# KiCad board design.kicad_pcb (continued)
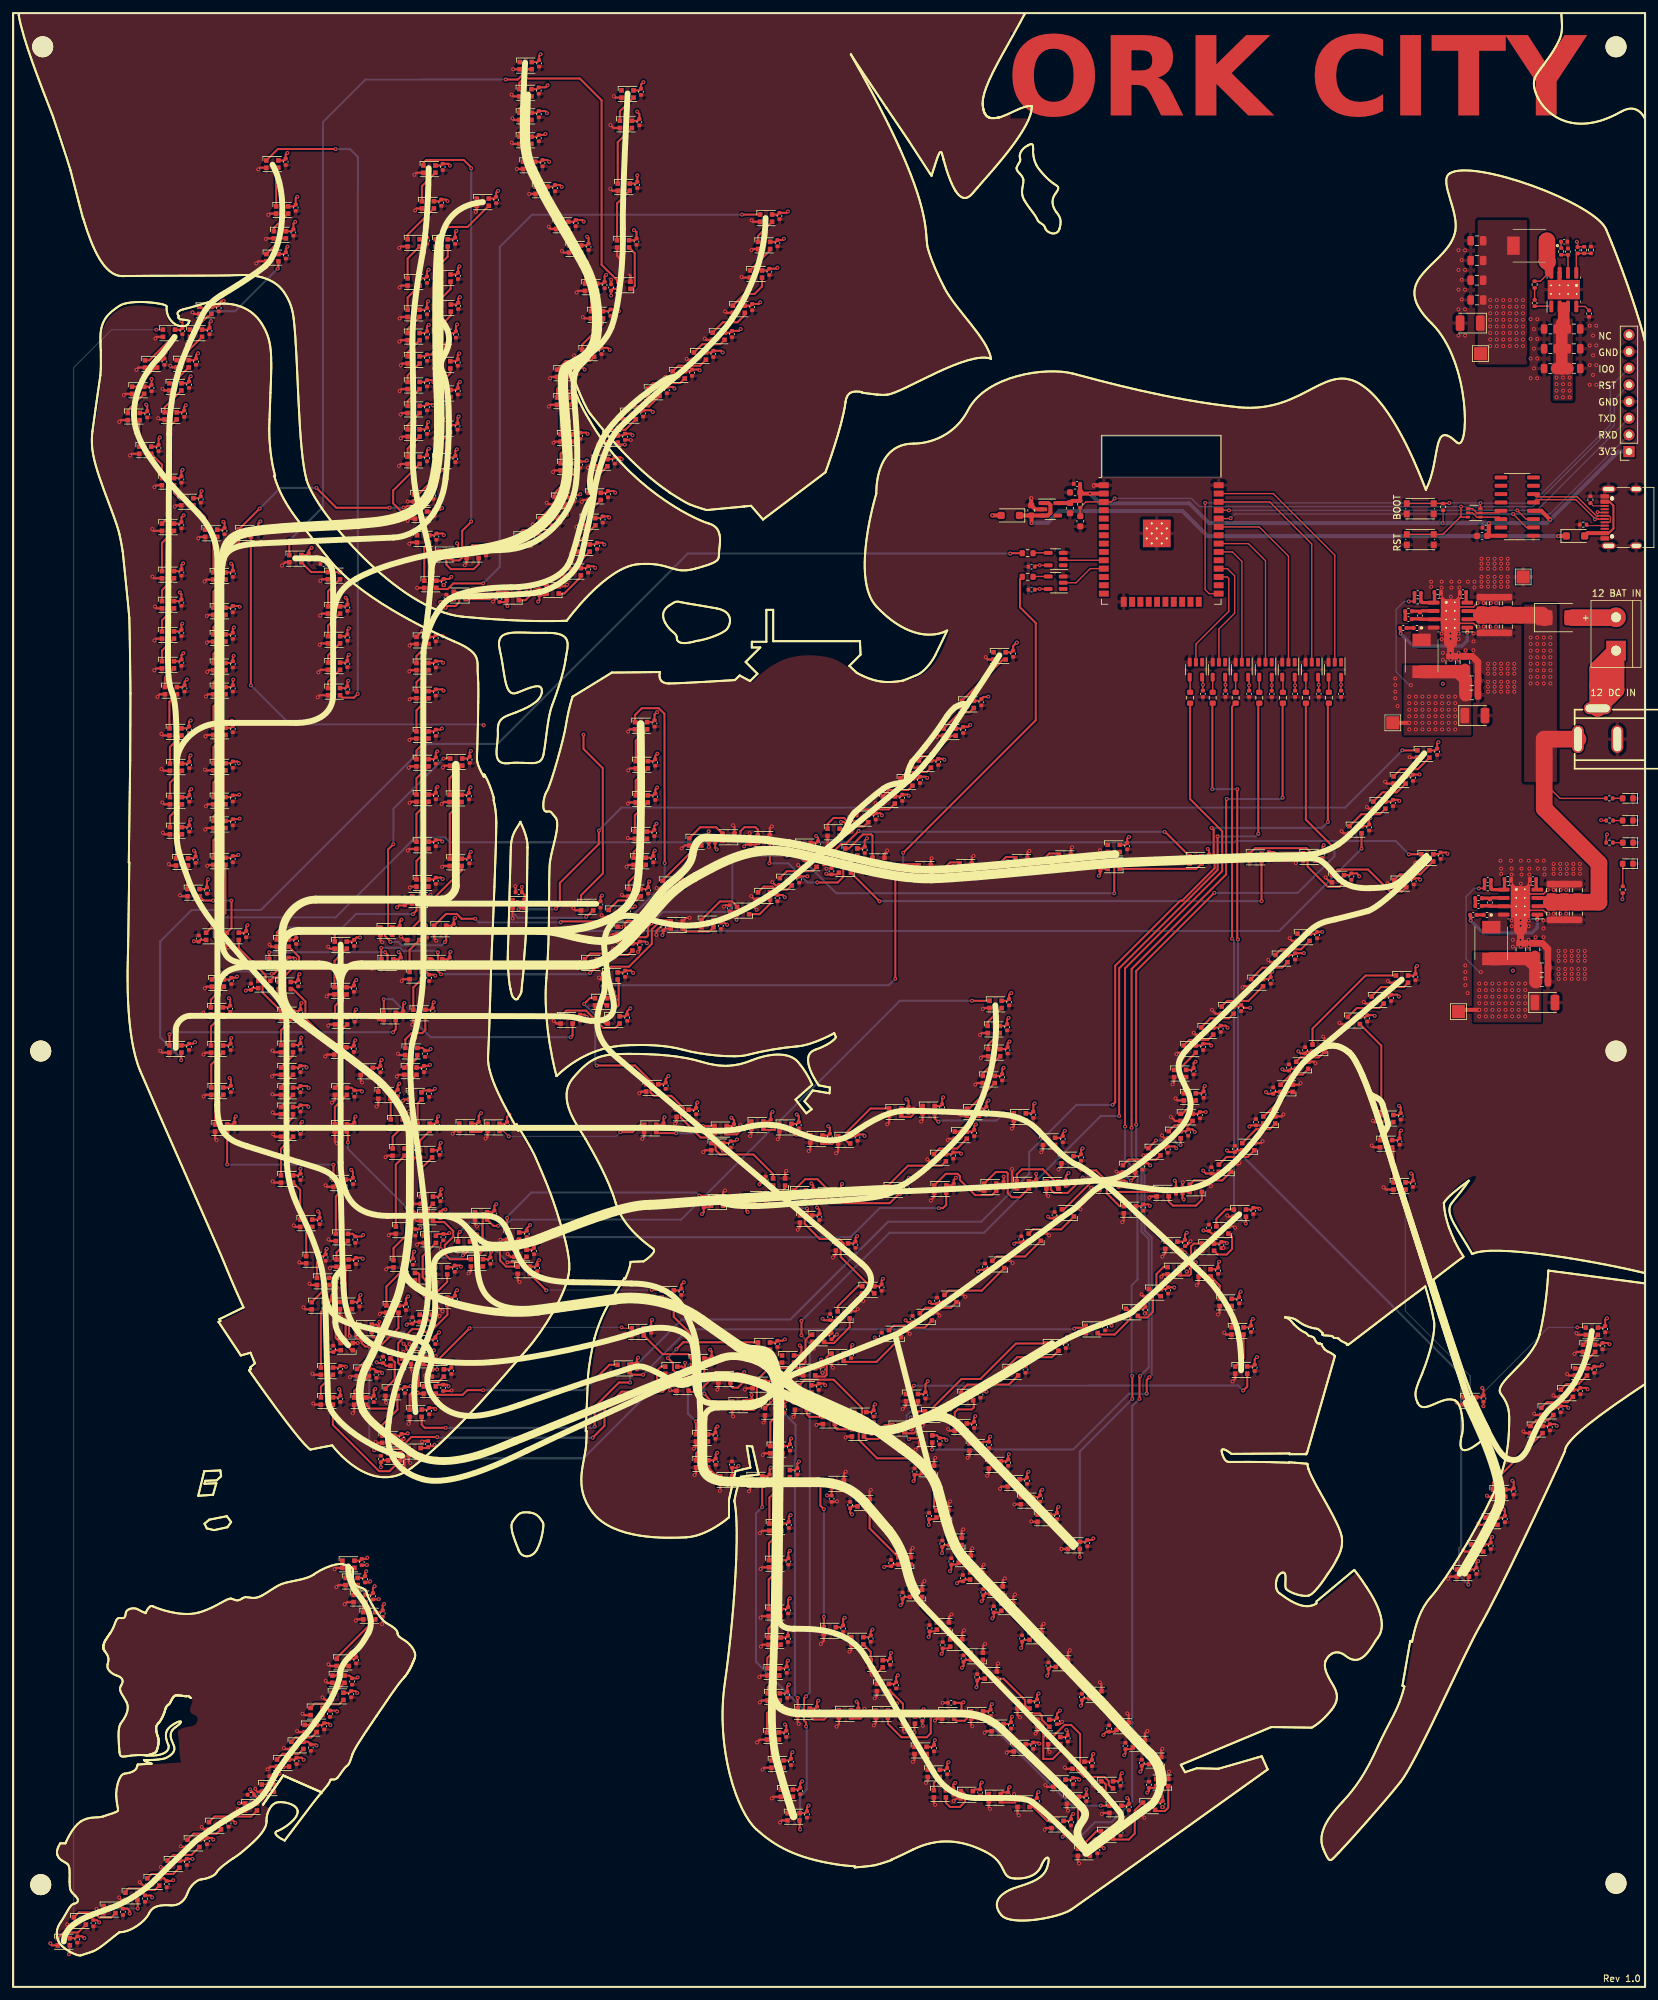
[diagram p0: board, top side]
## Placement (name value [footprint] x y rotation side) (continued)
D288  WS2812B  [LED_WS2812B-2020_PLCC4_2.0x2.0mm]  169.03 39.7 180 top
D289  WS2812B  [LED_WS2812B-2020_PLCC4_2.0x2.0mm]  171.51 37.04 180 top
D290  WS2812B  [LED_WS2812B-2020_PLCC4_2.0x2.0mm]  174 34.48 180 top
D291  WS2812B  [LED_WS2812B-2020_PLCC4_2.0x2.0mm]  175.07 31.13 180 top
D292  WS2812B  [LED_WS2812B-2020_PLCC4_2.0x2.0mm]  173.07 27.52 0 top
D293  WS2812B  [LED_WS2812B-2020_PLCC4_2.0x2.0mm]  166.64 23.17 0 top
D294  WS2812B  [LED_WS2812B-2020_PLCC4_2.0x2.0mm]  163.13 20.5 0 top
D295  WS2812B  [LED_WS2812B-2020_PLCC4_2.0x2.0mm]  161.46 28.43 0 top
D296  WS2812B  [LED_WS2812B-2020_PLCC4_2.0x2.0mm]  159.39 31.02 0 top
D297  WS2812B  [LED_WS2812B-2020_PLCC4_2.0x2.0mm]  153.36 36.42 0 top
D298  WS2812B  [LED_WS2812B-2020_PLCC4_2.0x2.0mm]  149.98 39.5 0 top
D299  WS2812B  [LED_WS2812B-2020_PLCC4_2.0x2.0mm]  146.85 41.43 0 top
D300  WS2812B  [LED_WS2812B-2020_PLCC4_2.0x2.0mm]  142.43 41.42 0 top
D301  WS2812B  [LED_WS2812B-2020_PLCC4_2.0x2.0mm]  132.36 41.55 0 top
D302  WS2812B  [LED_WS2812B-2020_PLCC4_2.0x2.0mm]  126.73 41.6 0 top
D303  WS2812B  [LED_WS2812B-2020_PLCC4_2.0x2.0mm]  120.44 41.86 0 top
D304  WS2812B  [LED_WS2812B-2020_PLCC4_2.0x2.0mm]  114.4 97.62 0 top
D305  WS2812B  [LED_WS2812B-2020_PLCC4_2.0x2.0mm]  100.27 93.95 0 top
D306  WS2812B  [LED_WS2812B-2020_PLCC4_2.0x2.0mm]  61.17 81.55 0 top
D307  WS2812B  [LED_WS2812B-2020_PLCC4_2.0x2.0mm]  52.88 89.24 0 top
D308  WS2812B  [LED_WS2812B-2020_PLCC4_2.0x2.0mm]  53.3 93.6 0 top
D309  WS2812B  [LED_WS2812B-2020_PLCC4_2.0x2.0mm]  57.78 103.26 0 top
D310  WS2812B  [LED_WS2812B-2020_PLCC4_2.0x2.0mm]  58.86 110.16 0 top
D311  WS2812B  [LED_WS2812B-2020_PLCC4_2.0x2.0mm]  59.21 115.28 0 top
D312  WS2812B  [LED_WS2812B-2020_PLCC4_2.0x2.0mm]  58.73 127.18 0 top
D313  WS2812B  [LED_WS2812B-2020_PLCC4_2.0x2.0mm]  58.44 131.61 0 top
D314  WS2812B  [LED_WS2812B-2020_PLCC4_2.0x2.0mm]  56.55 135.86 0 top
D315  WS2812B  [LED_WS2812B-2020_PLCC4_2.0x2.0mm]  53.86 139.48 0 top
D316  WS2812B  [LED_WS2812B-2020_PLCC4_2.0x2.0mm]  49.85 142.59 0 top
D317  WS2812B  [LED_WS2812B-2020_PLCC4_2.0x2.0mm]  41.39 152.56 0 top
D318  WS2812B  [LED_WS2812B-2020_PLCC4_2.0x2.0mm]  41.08 159.02 0 top
D319  WS2812B  [LED_WS2812B-2020_PLCC4_2.0x2.0mm]  61.71 165.58 180 top
D320  WS2812B  [LED_WS2812B-2020_PLCC4_2.0x2.0mm]  67.43 171.32 0 top
D321  WS2812B  [LED_WS2812B-2020_PLCC4_2.0x2.0mm]  67.4 181.06 0 top
D322  WS2812B  [LED_WS2812B-2020_PLCC4_2.0x2.0mm]  67.5 186.6 0 top
D323  WS2812B  [LED_WS2812B-2020_PLCC4_2.0x2.0mm]  167.68 173.45 0 top
D324  WS2812B  [LED_WS2812B-2020_PLCC4_2.0x2.0mm]  160.24 171.93 180 top
D325  WS2812B  [LED_WS2812B-2020_PLCC4_2.0x2.0mm]  153.6 171.35 180 top
D326  WS2812B  [LED_WS2812B-2020_PLCC4_2.0x2.0mm]  145.13 170.59 180 top
D327  WS2812B  [LED_WS2812B-2020_PLCC4_2.0x2.0mm]  138.89 170.31 180 top
D328  WS2812B  [LED_WS2812B-2020_PLCC4_2.0x2.0mm]  131.84 171.47 180 top
D329  WS2812B  [LED_WS2812B-2020_PLCC4_2.0x2.0mm]  127.69 172.89 0 top
D330  WS2812B  [LED_WS2812B-2020_PLCC4_2.0x2.0mm]  114.37 174.87 180 top
D331  WS2812B  [LED_WS2812B-2020_PLCC4_2.0x2.0mm]  108.99 175.14 180 top
D332  WS2812B  [LED_WS2812B-2020_PLCC4_2.0x2.0mm]  103.92 174.45 0 top
D333  WS2812B  [LED_WS2812B-2020_PLCC4_2.0x2.0mm]  99.86 167.95 0 top
D334  WS2812B  [LED_WS2812B-2020_PLCC4_2.0x2.0mm]  92.99 160.96 0 top
D335  WS2812B  [LED_WS2812B-2020_PLCC4_2.0x2.0mm]  95.67 192.14 0 top
D336  WS2812B  [LED_WS2812B-2020_PLCC4_2.0x2.0mm]  95.78 186.19 0 top
D337  WS2812B  [LED_WS2812B-2020_PLCC4_2.0x2.0mm]  95.77 180.99 0 top
D338  WS2812B  [LED_WS2812B-2020_PLCC4_2.0x2.0mm]  95.64 175.46 0 top
D339  WS2812B  [LED_WS2812B-2020_PLCC4_2.0x2.0mm]  95.46 171.48 0 top
D340  WS2812B  [LED_WS2812B-2020_PLCC4_2.0x2.0mm]  94.7 166.71 0 top
D341  WS2812B  [LED_WS2812B-2020_PLCC4_2.0x2.0mm]  91.63 163.53 0 top
D342  WS2812B  [LED_WS2812B-2020_PLCC4_2.0x2.0mm]  65.05 161.12 0 top
D343  WS2812B  [LED_WS2812B-2020_PLCC4_2.0x2.0mm]  56.86 160.84 0 top
D344  WS2812B  [LED_WS2812B-2020_PLCC4_2.0x2.0mm]  159.12 24.74 0 top
D345  WS2812B  [LED_WS2812B-2020_PLCC4_2.0x2.0mm]  153.94 27.96 0 top
D346  WS2812B  [LED_WS2812B-2020_PLCC4_2.0x2.0mm]  149.55 28.82 0 top
D347  WS2812B  [LED_WS2812B-2020_PLCC4_2.0x2.0mm]  145.29 29.27 0 top
D348  WS2812B  [LED_WS2812B-2020_PLCC4_2.0x2.0mm]  141.19 29.41 0 top
D349  WS2812B  [LED_WS2812B-2020_PLCC4_2.0x2.0mm]  140.26 32.52 0 top
D350  WS2812B  [LED_WS2812B-2020_PLCC4_2.0x2.0mm]  138.24 36.02 0 top
D351  WS2812B  [LED_WS2812B-2020_PLCC4_2.0x2.0mm]  136.48 40.66 0 top
D352  WS2812B  [LED_WS2812B-2020_PLCC4_2.0x2.0mm]  132.5 45.61 0 top
D353  WS2812B  [LED_WS2812B-2020_PLCC4_2.0x2.0mm]  131.56 49.22 0 top
D354  WS2812B  [LED_WS2812B-2020_PLCC4_2.0x2.0mm]  128.62 52.73 0 top
D355  WS2812B  [LED_WS2812B-2020_PLCC4_2.0x2.0mm]  124.41 54.25 0 top
D356  WS2812B  [LED_WS2812B-2020_PLCC4_2.0x2.0mm]  125.65 76.64 180 top
D357  WS2812B  [LED_WS2812B-2020_PLCC4_2.0x2.0mm]  129.57 73.75 180 top
D358  WS2812B  [LED_WS2812B-2020_PLCC4_2.0x2.0mm]  135.81 64.91 180 top
D359  WS2812B  [LED_WS2812B-2020_PLCC4_2.0x2.0mm]  137.55 59.95 180 top
D360  WS2812B  [LED_WS2812B-2020_PLCC4_2.0x2.0mm]  141.66 54.98 180 top
D361  WS2812B  [LED_WS2812B-2020_PLCC4_2.0x2.0mm]  143.67 52.39 180 top
D362  WS2812B  [LED_WS2812B-2020_PLCC4_2.0x2.0mm]  146.84 50.36 180 top
D363  WS2812B  [LED_WS2812B-2020_PLCC4_2.0x2.0mm]  148.94 47.5 180 top
D364  WS2812B  [LED_WS2812B-2020_PLCC4_2.0x2.0mm]  153.93 42.97 0 top
D365  WS2812B  [LED_WS2812B-2020_PLCC4_2.0x2.0mm]  156.97 40.16 0 top
D366  WS2812B  [LED_WS2812B-2020_PLCC4_2.0x2.0mm]  158.61 37.52 0 top
D367  WS2812B  [LED_WS2812B-2020_PLCC4_2.0x2.0mm]  162.3 33.77 0 top
D368  WS2812B  [LED_WS2812B-2020_PLCC4_2.0x2.0mm]  166.66 30.79 0 top
D369  WS2812B  [LED_WS2812B-2020_PLCC4_2.0x2.0mm]  167.94 27.05 0 top
D370  WS2812B  [LED_WS2812B-2020_PLCC4_2.0x2.0mm]  113.2 77.25 0 top
D371  WS2812B  [LED_WS2812B-2020_PLCC4_2.0x2.0mm]  108.65 77.23 0 top
D372  WS2812B  [LED_WS2812B-2020_PLCC4_2.0x2.0mm]  104.97 79.68 0 top
D373  WS2812B  [LED_WS2812B-2020_PLCC4_2.0x2.0mm]  104.94 83.64 0 top
D374  WS2812B  [LED_WS2812B-2020_PLCC4_2.0x2.0mm]  99.73 105.56 0 top
D375  WS2812B  [LED_WS2812B-2020_PLCC4_2.0x2.0mm]  77.8 109.18 0 top
D376  WS2812B  [LED_WS2812B-2020_PLCC4_2.0x2.0mm]  76.18 114.39 0 top
D377  WS2812B  [LED_WS2812B-2020_PLCC4_2.0x2.0mm]  107.25 119.58 180 top
D378  WS2812B  [LED_WS2812B-2020_PLCC4_2.0x2.0mm]  113.75 120.01 180 top
D379  WS2812B  [LED_WS2812B-2020_PLCC4_2.0x2.0mm]  119.85 120.77 0 top
D380  WS2812B  [LED_WS2812B-2020_PLCC4_2.0x2.0mm]  124.07 120.6 0 top
D381  WS2812B  [LED_WS2812B-2020_PLCC4_2.0x2.0mm]  134.1 121.41 0 top
D382  WS2812B  [LED_WS2812B-2020_PLCC4_2.0x2.0mm]  141.19 126.32 0 top
D383  WS2812B  [LED_WS2812B-2020_PLCC4_2.0x2.0mm]  144.38 129.75 0 top
D384  WS2812B  [LED_WS2812B-2020_PLCC4_2.0x2.0mm]  146.22 133.26 0 top
D385  WS2812B  [LED_WS2812B-2020_PLCC4_2.0x2.0mm]  148.63 138.24 0 top
D386  WS2812B  [LED_WS2812B-2020_PLCC4_2.0x2.0mm]  149.46 142.33 0 top
D387  WS2812B  [LED_WS2812B-2020_PLCC4_2.0x2.0mm]  149.39 145.86 0 top
D388  WS2812B  [LED_WS2812B-2020_PLCC4_2.0x2.0mm]  149.68 149.68 0 top
D389  WS2812B  [LED_WS2812B-2020_PLCC4_2.0x2.0mm]  71.28 117.46 0 top
D390  WS2812B  [LED_WS2812B-2020_PLCC4_2.0x2.0mm]  70.66 110.31 0 top
D391  WS2812B  [LED_WS2812B-2020_PLCC4_2.0x2.0mm]  63.04 117.24 0 top
D392  WS2812B  [LED_WS2812B-2020_PLCC4_2.0x2.0mm]  49.92 130.86 0 top
D393  WS2812B  [LED_WS2812B-2020_PLCC4_2.0x2.0mm]  49.93 136.44 0 top
D394  WS2812B  [LED_WS2812B-2020_PLCC4_2.0x2.0mm]  49.97 147.18 0 top
D395  WS2812B  [LED_WS2812B-2020_PLCC4_2.0x2.0mm]  49.88 151.75 0 top
D396  WS2812B  [LED_WS2812B-2020_PLCC4_2.0x2.0mm]  49.91 158.71 0 top
D397  WS2812B  [LED_WS2812B-2020_PLCC4_2.0x2.0mm]  71.54 271.9 0 top
D398  WS2812B  [LED_WS2812B-2020_PLCC4_2.0x2.0mm]  65.3 265.69 0 top
D399  WS2812B  [LED_WS2812B-2020_PLCC4_2.0x2.0mm]  65.73 260.33 0 top
D400  WS2812B  [LED_WS2812B-2020_PLCC4_2.0x2.0mm]  65.76 255.76 0 top
D401  WS2812B  [LED_WS2812B-2020_PLCC4_2.0x2.0mm]  65.38 251.4 0 top
D402  WS2812B  [LED_WS2812B-2020_PLCC4_2.0x2.0mm]  65.69 247.12 0 top
D403  WS2812B  [LED_WS2812B-2020_PLCC4_2.0x2.0mm]  65.7 242.75 0 top
D404  WS2812B  [LED_WS2812B-2020_PLCC4_2.0x2.0mm]  65.65 237.39 0 top
D405  WS2812B  [LED_WS2812B-2020_PLCC4_2.0x2.0mm]  65.33 232.44 0 top
D406  WS2812B  [LED_WS2812B-2020_PLCC4_2.0x2.0mm]  61.99 226.84 0 top
D407  WS2812B  [LED_WS2812B-2020_PLCC4_2.0x2.0mm]  35.3 221.49 0 top
D408  WS2812B  [LED_WS2812B-2020_PLCC4_2.0x2.0mm]  87.44 164.56 0 top
D409  WS2812B  [LED_WS2812B-2020_PLCC4_2.0x2.0mm]  77 164.97 0 top
D410  WS2812B  [LED_WS2812B-2020_PLCC4_2.0x2.0mm]  214.86 187.83 0 top
D411  WS2812B  [LED_WS2812B-2020_PLCC4_2.0x2.0mm]  211.22 183.87 0 top
D412  WS2812B  [LED_WS2812B-2020_PLCC4_2.0x2.0mm]  208.14 180.03 0 top
D413  WS2812B  [LED_WS2812B-2020_PLCC4_2.0x2.0mm]  204.51 176.3 0 top
D414  WS2812B  [LED_WS2812B-2020_PLCC4_2.0x2.0mm]  24.72 142.89 0 top
D415  WS2812B  [LED_WS2812B-2020_PLCC4_2.0x2.0mm]  57.38 147.85 0 top
D416  WS2812B  [LED_WS2812B-2020_PLCC4_2.0x2.0mm]  84.32 147.31 0 top
D417  WS2812B  [LED_WS2812B-2020_PLCC4_2.0x2.0mm]  91.5 147.32 0 top
D418  WS2812B  [LED_WS2812B-2020_PLCC4_2.0x2.0mm]  91.19 154.01 0 top
D419  WS2812B  [LED_WS2812B-2020_PLCC4_2.0x2.0mm]  101.1 161.77 180 top
D420  WS2812B  [LED_WS2812B-2020_PLCC4_2.0x2.0mm]  105.78 161.99 0 top
D421  WS2812B  [LED_WS2812B-2020_PLCC4_2.0x2.0mm]  111.21 163.97 180 top
D422  WS2812B  [LED_WS2812B-2020_PLCC4_2.0x2.0mm]  114.39 166.21 0 top
D423  WS2812B  [LED_WS2812B-2020_PLCC4_2.0x2.0mm]  117.72 168.37 0 top
D424  WS2812B  [LED_WS2812B-2020_PLCC4_2.0x2.0mm]  121.49 171.18 0 top
D425  WS2812B  [LED_WS2812B-2020_PLCC4_2.0x2.0mm]  125 175.9 0 top
D426  WS2812B  [LED_WS2812B-2020_PLCC4_2.0x2.0mm]  129.36 177.99 0 top
D427  WS2812B  [LED_WS2812B-2020_PLCC4_2.0x2.0mm]  133.41 180.82 0 top
D428  WS2812B  [LED_WS2812B-2020_PLCC4_2.0x2.0mm]  136.09 183.55 0 top
D429  WS2812B  [LED_WS2812B-2020_PLCC4_2.0x2.0mm]  138.91 186.29 0 top
D430  WS2812B  [LED_WS2812B-2020_PLCC4_2.0x2.0mm]  142.69 191.16 0 top
D431  WS2812B  [LED_WS2812B-2020_PLCC4_2.0x2.0mm]  145.45 195.38 0 top
D432  WS2812B  [LED_WS2812B-2020_PLCC4_2.0x2.0mm]  150.29 202.77 0 top
D433  WS2812B  [LED_WS2812B-2020_PLCC4_2.0x2.0mm]  89.57 150.08 0 top
D434  WS2812B  [LED_WS2812B-2020_PLCC4_2.0x2.0mm]  97.37 136.96 0 top
D435  WS2812B  [LED_WS2812B-2020_PLCC4_2.0x2.0mm]  101.99 133.09 0 top
D436  WS2812B  [LED_WS2812B-2020_PLCC4_2.0x2.0mm]  107.28 128.01 0 top
D437  WS2812B  [LED_WS2812B-2020_PLCC4_2.0x2.0mm]  116.7 122.62 180 top
D438  WS2812B  [LED_WS2812B-2020_PLCC4_2.0x2.0mm]  120.79 116.98 0 top
D439  WS2812B  [LED_WS2812B-2020_PLCC4_2.0x2.0mm]  126.28 112.73 0 top
D440  WS2812B  [LED_WS2812B-2020_PLCC4_2.0x2.0mm]  130.27 106.2 0 top
D441  WS2812B  [LED_WS2812B-2020_PLCC4_2.0x2.0mm]  126.54 102.38 180 top
D442  WS2812B  [LED_WS2812B-2020_PLCC4_2.0x2.0mm]  122.64 98.81 0 top
D443  WS2812B  [LED_WS2812B-2020_PLCC4_2.0x2.0mm]  118.06 95.65 0 top
D444  WS2812B  [LED_WS2812B-2020_PLCC4_2.0x2.0mm]  139.12 83.47 0 top
D445  WS2812B  [LED_WS2812B-2020_PLCC4_2.0x2.0mm]  136.94 89.78 0 top
D446  WS2812B  [LED_WS2812B-2020_PLCC4_2.0x2.0mm]  187.1 93.97 0 top
D447  WS2812B  [LED_WS2812B-2020_PLCC4_2.0x2.0mm]  186.54 99.93 0 top
D448  WS2812B  [LED_WS2812B-2020_PLCC4_2.0x2.0mm]  184.73 104.28 0 top
D449  WS2812B  [LED_WS2812B-2020_PLCC4_2.0x2.0mm]  181.52 108.78 0 top
D450  WS2812B  [LED_WS2812B-2020_PLCC4_2.0x2.0mm]  176.45 112.99 0 top
D451  WS2812B  [LED_WS2812B-2020_PLCC4_2.0x2.0mm]  170.12 118.4 0 top
D452  WS2812B  [LED_WS2812B-2020_PLCC4_2.0x2.0mm]  160.63 126.02 0 top
D453  WS2812B  [LED_WS2812B-2020_PLCC4_2.0x2.0mm]  157.82 128.81 0 top
D454  WS2812B  [LED_WS2812B-2020_PLCC4_2.0x2.0mm]  153.37 132.53 0 top
D455  WS2812B  [LED_WS2812B-2020_PLCC4_2.0x2.0mm]  139.47 133.65 0 top
D456  WS2812B  [LED_WS2812B-2020_PLCC4_2.0x2.0mm]  134.38 133.28 0 top
D457  WS2812B  [LED_WS2812B-2020_PLCC4_2.0x2.0mm]  126.62 129.05 0 top
D458  WS2812B  [LED_WS2812B-2020_PLCC4_2.0x2.0mm]  122.38 129.16 0 top
D459  WS2812B  [LED_WS2812B-2020_PLCC4_2.0x2.0mm]  117.66 130.93 0 top
D460  WS2812B  [LED_WS2812B-2020_PLCC4_2.0x2.0mm]  113.38 131.29 0 top
D461  WS2812B  [LED_WS2812B-2020_PLCC4_2.0x2.0mm]  107.78 130.61 0 top
D462  WS2812B  [LED_WS2812B-2020_PLCC4_2.0x2.0mm]  97.05 130.79 0 top
D463  WS2812B  [LED_WS2812B-2020_PLCC4_2.0x2.0mm]  73.19 130.94 0 top
D464  WS2812B  [LED_WS2812B-2020_PLCC4_2.0x2.0mm]  68.89 130.97 0 top
D465  WS2812B  [LED_WS2812B-2020_PLCC4_2.0x2.0mm]  61.33 87.39 0 top
D466  WS2812B  [LED_WS2812B-2020_PLCC4_2.0x2.0mm]  62.27 98.08 0 top
D467  WS2812B  [LED_WS2812B-2020_PLCC4_2.0x2.0mm]  65.25 104.47 0 top
D468  WS2812B  [LED_WS2812B-2020_PLCC4_2.0x2.0mm]  65.21 109.08 0 top
D469  WS2812B  [LED_WS2812B-2020_PLCC4_2.0x2.0mm]  68.69 113 0 top
D470  WS2812B  [LED_WS2812B-2020_PLCC4_2.0x2.0mm]  77.29 111.76 0 top
D471  WS2812B  [LED_WS2812B-2020_PLCC4_2.0x2.0mm]  141.24 121.55 0 top
D472  WS2812B  [LED_WS2812B-2020_PLCC4_2.0x2.0mm]  148.86 121.83 0 top
D473  WS2812B  [LED_WS2812B-2020_PLCC4_2.0x2.0mm]  153.82 122.19 0 top
D474  WS2812B  [LED_WS2812B-2020_PLCC4_2.0x2.0mm]  158.34 122.17 0 top
D475  WS2812B  [LED_WS2812B-2020_PLCC4_2.0x2.0mm]  170 124.64 0 top
D476  WS2812B  [LED_WS2812B-2020_PLCC4_2.0x2.0mm]  173.87 127.23 0 top
D477  WS2812B  [LED_WS2812B-2020_PLCC4_2.0x2.0mm]  176.96 129.83 0 top
D478  WS2812B  [LED_WS2812B-2020_PLCC4_2.0x2.0mm]  178.76 132.47 0 top
D479  WS2812B  [LED_WS2812B-2020_PLCC4_2.0x2.0mm]  179.26 135.59 0 top
D480  WS2812B  [LED_WS2812B-2020_PLCC4_2.0x2.0mm]  177.78 139.15 0 top
D481  WS2812B  [LED_WS2812B-2020_PLCC4_2.0x2.0mm]  179.25 142.87 0 top
D482  WS2812B  [LED_WS2812B-2020_PLCC4_2.0x2.0mm]  181.92 145.62 0 top
D483  WS2812B  [LED_WS2812B-2020_PLCC4_2.0x2.0mm]  185.03 148.81 0 top
D484  WS2812B  [LED_WS2812B-2020_PLCC4_2.0x2.0mm]  189.51 152.99 0 top
D485  WS2812B  [LED_WS2812B-2020_PLCC4_2.0x2.0mm]  193.23 156.66 0 top
D486  WS2812B  [LED_WS2812B-2020_PLCC4_2.0x2.0mm]  196.6 159.91 0 top
H1  MountingHole  [MountingHole_3.2mm_M3]  4.2 142.57 0 top
H2  MountingHole  [MountingHole_3.2mm_M3]  244.2 295.57 0 top
H3  MountingHole  [MountingHole_3.2mm_M3]  4.5 295.57 0 top
H4  MountingHole  [MountingHole_3.2mm_M3]  244.2 15.77 0 top
H5  MountingHole  [MountingHole_3.2mm_M3]  244.2 142.57 0 top
H6  MountingHole  [MountingHole_3.2mm_M3]  4.2 15.57 0 top
J1  Conn_01x08  [PinSocket_1x08_P2.54mm_Vertical]  246.18 233.9 180 top
J2  USB_C_Receptacle_USB2.0  [USB_C_Receptacle_G-Switch_GT-USB-7010ASV]  246.2 223.87 90 top
J3  BATTERY  [TerminalBlock_bornier-2_P5.08mm]  244.2 203.57 90 top
J4  12V IN  [CONN-TH_DC-005-2.5A-2.0]  241.4 192.44 180 top
L1  ETQ-P3M3R3KVP  [ETQ-P3M_KVP]  214.59 202.77 270 top
L2  ETQ-P3M3R3KVP  [ETQ-P3M_KVP]  225.2 159.02 270 top
L3  ETQ-P3M3R3KVP  [ETQ-P3M_KVP]  231 265.27 180 top
Q1  UMH3N  [SOT-363_SC-70-6]  222.6 224.57 180 top
R1  5.1k  [R_0402_1005Metric]  239.2 222.77 180 top
R2  5.1k  [R_0402_1005Metric]  240.3 226.57 90 top
R3  100k  [R_0402_1005Metric]  217.85 225.47 90 top
R4  10k  [R_0402_1005Metric]  162.57 225.87 270 top
R5  10k  [R_0402_1005Metric]  243.21 174.32 180 top
R6  10k  [R_0402_1005Metric]  243.18 181.06 180 top
R7  10R  [R_0402_1005Metric]  213.89 207.03 180 top
R8  12K 1%  [R_0402_1005Metric]  213.99 211.08 0 top
R9  1k  [R_0402_1005Metric]  243.23 177.69 0 top
R10  20K 1%  [R_0402_1005Metric]  212.59 209.58 180 top
R11  2.2K 1%  [R_0402_1005Metric]  217.04 212.48 0 top
R12  10R  [R_0402_1005Metric]  224.55 163.31 180 top
R13  12K 1%  [R_0402_1005Metric]  224.65 167.36 0 top
R14  1k  [R_0402_1005Metric]  245.22 167.15 90 top
R15  20K 1%  [R_0402_1005Metric]  223.25 165.86 180 top
R16  2.2K 1%  [R_0402_1005Metric]  227.7 168.76 0 top
R17  10R  [R_0402_1005Metric]  231.8 259.35 270 top
R18  12K 1%  [R_0402_1005Metric]  239.35 264.6 270 top
R20  20K 1%  [R_0402_1005Metric]  235.85 264.39 90 top
R21  2.2K 1%  [R_0402_1005Metric]  240.37 264.61 90 top
R22  220R  [R_0603_1608Metric]  179.31 196.4 270 top
R23  220R  [R_0603_1608Metric]  182.75 196.4 270 top
R24  220R  [R_0603_1608Metric]  186.25 196.4 270 top
R25  220R  [R_0603_1608Metric]  189.85 196.4 270 top
R26  220R  [R_0603_1608Metric]  193.45 196.4 270 top
R27  220R  [R_0603_1608Metric]  154.57 218.42 180 top
R28  220R  [R_0603_1608Metric]  154.57 214.82 180 top
R29  220R  [R_0603_1608Metric]  196.95 196.4 270 top
R30  220R  [R_0603_1608Metric]  200.45 196.4 270 top
SW1  SW_Push  [SW_Push_1P1T_NO_CK_KMR2]  214.37 225.19 0 top
SW2  SW_Push  [SW_Push_1P1T_NO_CK_KMR2]  214.38 220.49 180 top
TP1  TestPoint  [TestPoint_Pad_2.0x2.0mm]  210.2 192.57 90 top
TP2  TestPoint  [TestPoint_Pad_2.0x2.0mm]  230.06 214.8 0 top
TP3  TestPoint  [TestPoint_Pad_2.0x2.0mm]  220.2 148.57 0 top
TP4  TestPoint  [TestPoint_Pad_2.0x2.0mm]  223.55 248.82 0 top
U1  CH340C  [SOIC-16_3.9x9.9mm_P1.27mm]  229.15 225.52 180 top
U2  -  [ESP32-WROOM-32]  174.91 220.52 0 top
U3  AP2127K-3.3  [SOT-23-5]  158.01 225.1 0 top
U4  AP64501SP-13  [SOIC-8-1EP_3.9x4.9mm_P1.27mm_EP2.95x4.9mm_Mask2.71x3.4mm_ThermalVias]  218.99 208.98 180 top
U5  AP64501SP-13  [SOIC-8-1EP_3.9x4.9mm_P1.27mm_EP2.95x4.9mm_Mask2.71x3.4mm_ThermalVias]  229.65 165.26 180 top
U6  AP64501SP-13  [SOIC-8-1EP_3.9x4.9mm_P1.27mm_EP2.95x4.9mm_Mask2.71x3.4mm_ThermalVias]  236.25 258.57 90 top
U7  SN74LV1T34DBV  [SOT-23-5]  180.2 200.67 270 top
U8  SN74LV1T34DBV  [SOT-23-5]  183.7 200.67 270 top
U9  SN74LV1T34DBV  [SOT-23-5]  187.2 200.67 270 top
U10  SN74LV1T34DBV  [SOT-23-5]  190.8 200.67 270 top
U11  SN74LV1T34DBV  [SOT-23-5]  194.3 200.67 270 top
U12  SN74LV1T34DBV  [SOT-23-5]  158.84 217.52 180 top
U13  SN74LV1T34DBV  [SOT-23-5]  158.84 213.92 180 top
U14  SN74LV1T34DBV  [SOT-23-5]  197.85 200.67 270 top
U15  SN74LV1T34DBV  [SOT-23-5]  201.35 200.67 270 top

## Library data of the parts
C1 C4 C6 C7 = -: Description: Unpolarized capacitor; LCSC: C344022; MPN: GRM188R61E106KA73D
C2 C3 C13 C21 C29 C37 C45 C53 C56-C542 = -: Description: Unpolarized capacitor; LCSC: C77020; MPN: GRM155R71H104KE14D
C5 = -: Description: Unpolarized capacitor; LCSC: C15849; MPN: CL10A105KB8NNNC
C8 C24 C40 = -: Description: Conductive Polymer Solid Electrolytic Chip Capacitors; LCSC: C597710; MPN: TPSB107K006R0250
C9-C12 C15-C20 C25-C28 C31-C36 C41-C44 C47-C52 = -: Description: Unpolarized capacitor; LCSC: C361063; MPN: GRM21BR6YA106ME43L
C14 C22 C30 C38 C46 C54 = -: Description: Unpolarized capacitor; LCSC: dnp; MPN: dnp
C23 C39 C55 = -: Description: Unpolarized capacitor; LCSC: C295919; MPN: 0402B122J500CT
D1 D2 = -: Description: Schottky diode; LCSC: C151335
D3 D4 D6 D7 = -: Description: Light emitting diode; LCSC: C965799; MPN: XL-1608SURC-06
D5 = -: Description: Schottky diode; LCSC: C698845; MPN: SSL54B
D9-D486 = -: Description: RGB LED with integrated controller; LCSC: C965555; MPN: WS2812B-2020
H1-H6 = -: Description: Mounting Hole without connection; LCSC: NA; MPN: NA
J1 = -: Description: Generic connector, single row, 01x08, script generated (kicad-library-utils/schlib/autogen/connector/); LCSC: DNP; MPN: dnp
J2 = -: Description: USB 2.0-only Type-C Receptacle connector; LCSC: C2988369; MPN: GT-USB-7010ASV
J3 = -: Description: Generic connector, single row, 01x02, script generated (kicad-library-utils/schlib/autogen/connector/); LCSC: C709041; MPN: JL500-50802G01
J4 = -: Description: DC Barrel Jack with an internal switch; LCSC: C319099; MPN: DC-005-2.5A-2.0
L1-L3 = -: Description: Inductor symbol for simulation only; LCSC: C542316; MPN: ETQP3M3R3KVP
Q1 = -: Description: 0.1A Ic, 50V Vce, Dual NPN Input Resistor Transistors, SOT-363; LCSC: C62892
R1 R2 = -: Description: Resistor; LCSC: C105872; MPN: RC0402FR-075K1L
R3 = -: Description: Resistor; LCSC: C60491; MPN: RC0402FR-07100KL
R4-R6 = -: Description: Resistor; LCSC: C60490; MPN: RC0402FR-0710KL
R7 R12 R17 = -: Description: Resistor; LCSC: C176108; MPN: QR0402J10R0Q10Z
R8 R13 R18 = -: Description: Resistor; LCSC: C114760; MPN: RC0402FR-0712KL
R9 R14 = -: Description: Resistor; LCSC: C100195; MPN: CR0402FF1001G
R10 R15 R20 = -: Description: Resistor; LCSC: C93942; MPN: RC0402FR-0720KL
R11 R16 R21 = -: Description: Resistor; LCSC: C114762; MPN: RC0402FR-072K2L
R22-R30 = -: Description: Resistor; LCSC: C107696; MPN: RC0603FR-07220RL
SW1 SW2 = -: Description: Push button switch, generic, two pins; LCSC: C72443; MPN: KMR221GLFS
TP1-TP4 = -: Description: test point; LCSC: NA; MPN: NA
U1 = -: Description: USB serial converter, UART, SOIC-16; LCSC: C7464026
U2 = -: Description: RF Module, ESP32-D0WDQ6 SoC, Wi-Fi 802.11b/g/n, Bluetooth, BLE, 32-bit, 2.7-3.6V, onboard antenna, SMD; LCSC: C529582; MPN: ESP32-WROOM-32-N8
U3 = -: Description: 300mA low dropout linear regulator, shutdown pin, 2.5V-6V input voltage, 3.3V fixed positive output, SOT-23-5; LCSC: C156285; MPN: AP2127K-3.3TRG1
U4-U6 = -: LCSC: C2071517
U7-U15 = -: Description: Single Power Supply, Single Buffer GATE, CMOS Logic, Level Shifter, SOT-23-5; LCSC: C100024; MPN: SN74LV1T34DBVR

## Footprints (pads in the part's own frame, mm; a bottom-side part is the same pattern mirrored in y, then rotated)
C_0402_1005Metric
  rrect 0.56x0.62 smd: 1(-0.48,0) 2(0.48,0)
C_0603_1608Metric
  rrect 0.9x0.95 smd: 1(-0.775,0) 2(0.775,0)
C_0805_2012Metric
  rrect 1x1.45 smd: 1(-0.95,0) 2(0.95,0)
CONN-TH_DC-005-2.5A-2.0
  oval 1.8x4.2 hole 1.2x3.7: 1(3,2.35) 2(-3,2.35)
  oval 4.2x1.8 hole 3.7x1.2: 3(0,-2.35)
CP_EIA-3528-21_Kemet-B
  rrect 1.325x2.35 smd: 1(-1.538,0) 2(1.538,0)
D_SMB
  rrect 2.5x2.3 smd: 1(-2.15,0) 2(2.15,0)
D_SOD-123F
  rrect 1.1x1.1 smd: 1(-1.4,0) 2(1.4,0)
ESP32-WROOM-32
  rect 1.5x0.9 smd: 1(-8.75,8.25) 2(-8.75,6.98) 3(-8.75,5.71) 4(-8.75,4.44) 5(-8.75,3.17) 6(-8.75,1.9) 7(-8.75,0.63) 8(-8.75,-0.64) 9(-8.75,-1.91) 10(-8.75,-3.18) 11(-8.75,-4.45) 12(-8.75,-5.72) 13(-8.75,-6.99) 14(-8.75,-8.26) 25(8.75,-8.26) 26(8.75,-6.99) 27(8.75,-5.72) 28(8.75,-4.45) 29(8.75,-3.18) 30(8.75,-1.91) 31(8.75,-0.64) 32(8.75,0.63) 33(8.75,1.9) 34(8.75,3.17) 35(8.75,4.44) 36(8.75,5.71) 37(8.75,6.98) 38(8.75,8.25)
  rect 0.9x1.5 smd: 15(-5.71,-9.51) 16(-4.44,-9.51) 17(-3.17,-9.51) 18(-1.9,-9.51) 19(-0.63,-9.51) 20(0.64,-9.51) 21(1.91,-9.51) 22(3.18,-9.51) 23(4.45,-9.51) 24(5.72,-9.51)
  rect 1.05x1.05 smd: 39(-2.205,2.435) 39(-2.205,0.91) 39(-2.205,-0.615) 39(-0.68,2.435) 39(-0.68,0.91) 39(-0.68,-0.615) 39(0.845,2.435) 39(0.845,0.91) 39(0.845,-0.615)
  round 0.6 hole 0.3: 39(-2.205,1.673) 39(-2.205,0.147) 39(-1.442,2.435) 39(-1.442,0.91) 39(-1.442,-0.615) 39(-0.68,1.673) 39(-0.68,0.147) 39(0.083,2.435) 39(0.083,0.91) 39(0.083,-0.615) 39(0.845,1.673) 39(0.845,0.147)
  rect 4.2x4.2 smd: 39(-0.68,0.91)
ETQ-P3M_KVP
  rect 1.905x2.79 smd: 1(-2.425,0) 2(2.425,0)
LED_0603_1608Metric
  rrect 0.875x0.95 smd: 1(-0.787,0) 2(0.787,0)
LED_WS2812B-2020_PLCC4_2.0x2.0mm
  rect 0.7x0.7 smd: 1(-0.915,0.55) 2(-0.915,-0.55) 3(0.915,-0.55) 4(0.915,0.55)
MountingHole_3.2mm_M3
  round 3.2 hole 3.2 unplated: (0,0)
PinSocket_1x08_P2.54mm_Vertical
  rect 1.7x1.7 hole 1: 1(0,0)
  oval 1.7x1.7 hole 1: 2(0,-2.54) 3(0,-5.08) 4(0,-7.62) 5(0,-10.16) 6(0,-12.7) 7(0,-15.24) 8(0,-17.78)
R_0402_1005Metric
  rrect 0.54x0.64 smd: 1(-0.51,0) 2(0.51,0)
R_0603_1608Metric
  rrect 0.8x0.95 smd: 1(-0.825,0) 2(0.825,0)
SOIC-8-1EP_3.9x4.9mm_P1.27mm_EP2.95x4.9mm_Mask2.71x3.4mm_ThermalVias
  rrect 1.13x1.42 smd: (-0.68,0.85) (-0.68,-0.85) (0.68,0.85) (0.68,-0.85)
  rect 2.71x3.4 smd: (0,0)
  rrect 1.775x0.6 smd: 1(-2.562,1.905) 2(-2.562,0.635) 3(-2.562,-0.635) 4(-2.562,-1.905) 5(2.562,-1.905) 6(2.562,-0.635) 7(2.562,0.635) 8(2.562,1.905)
  round 0.5 hole 0.25: 9(-0.65,1.95) 9(-0.65,0.65) 9(-0.65,-0.65) 9(-0.65,-1.95) 9(0.65,1.95) 9(0.65,0.65) 9(0.65,-0.65) 9(0.65,-1.95)
  rect 1.8x4.4 smd far side: 9(0,0)
  rect 2.95x4.9 smd: 9(0,0)
SOIC-16_3.9x9.9mm_P1.27mm
  rrect 1.95x0.6 smd: 1(-2.475,4.445) 2(-2.475,3.175) 3(-2.475,1.905) 4(-2.475,0.635) 5(-2.475,-0.635) 6(-2.475,-1.905) 7(-2.475,-3.175) 8(-2.475,-4.445) 9(2.475,-4.445) 10(2.475,-3.175) 11(2.475,-1.905) 12(2.475,-0.635) 13(2.475,0.635) 14(2.475,1.905) 15(2.475,3.175) 16(2.475,4.445)
SOT-23-5
  rrect 1.325x0.6 smd: 1(-1.137,0.95) 2(-1.137,0) 3(-1.137,-0.95) 4(1.137,-0.95) 5(1.137,0.95)
SOT-363_SC-70-6
  rect 0.65x0.4 smd: 1(-0.95,0.65) 2(-0.95,0) 3(-0.95,-0.65) 4(0.95,-0.65) 5(0.95,0) 6(0.95,0.65)
SW_Push_1P1T_NO_CK_KMR2
  rect 0.9x1 smd: 1(-2.05,0.8) 1(2.05,0.8) 2(-2.05,-0.8) 2(2.05,-0.8)
TerminalBlock_bornier-2_P5.08mm
  rect 3x3 hole 1.52: 1(0,0)
  round 3 hole 1.52: 2(5.08,0)
TestPoint_Pad_2.0x2.0mm
  rect 2x2 smd: 1(0,0)
USB_C_Receptacle_G-Switch_GT-USB-7010ASV
  round 0.65 hole 0.65 unplated: (-2.89,2.605) (2.89,2.605)
  rect 0.6x1.24 smd: A1(-3.2,3.725) A4(-2.4,3.725) A9(2.4,3.725) A12(3.2,3.725) B1(3.2,3.725) B4(2.4,3.725) B9(-2.4,3.725) B12(-3.2,3.725)
  rect 0.3x1.24 smd: A5(-1.25,3.725) A6(-0.25,3.725) A7(0.25,3.725) A8(1.25,3.725) B5(1.75,3.725) B6(0.75,3.725) B7(-0.75,3.725) B8(-1.75,3.725)
  oval 1x2.1 hole 0.6x1.7: S1(-4.32,3.125) S1(4.32,3.125)
  oval 1x1.8 hole 0.6x1.4: S1(-4.32,-1.075) S1(4.32,-1.075)